# Altium PCB LimeSDR-X3_1v2.PcbDoc (part 9 of 25)
Units mm, origin at the board's own origin, x right, y up, seen from the top; angles counter-clockwise.
Board outline 232.5 x 111.15 mm, 12 copper layers (Top, L2, L3, L4, L5, L6, L7, L8, L9, L10, L11, Bottom), stack 1.596 mm thick; 2084 components, 1388 nets, 8919 pads, 3667 vias.
Unrouted connection lines stored in the file: 1.
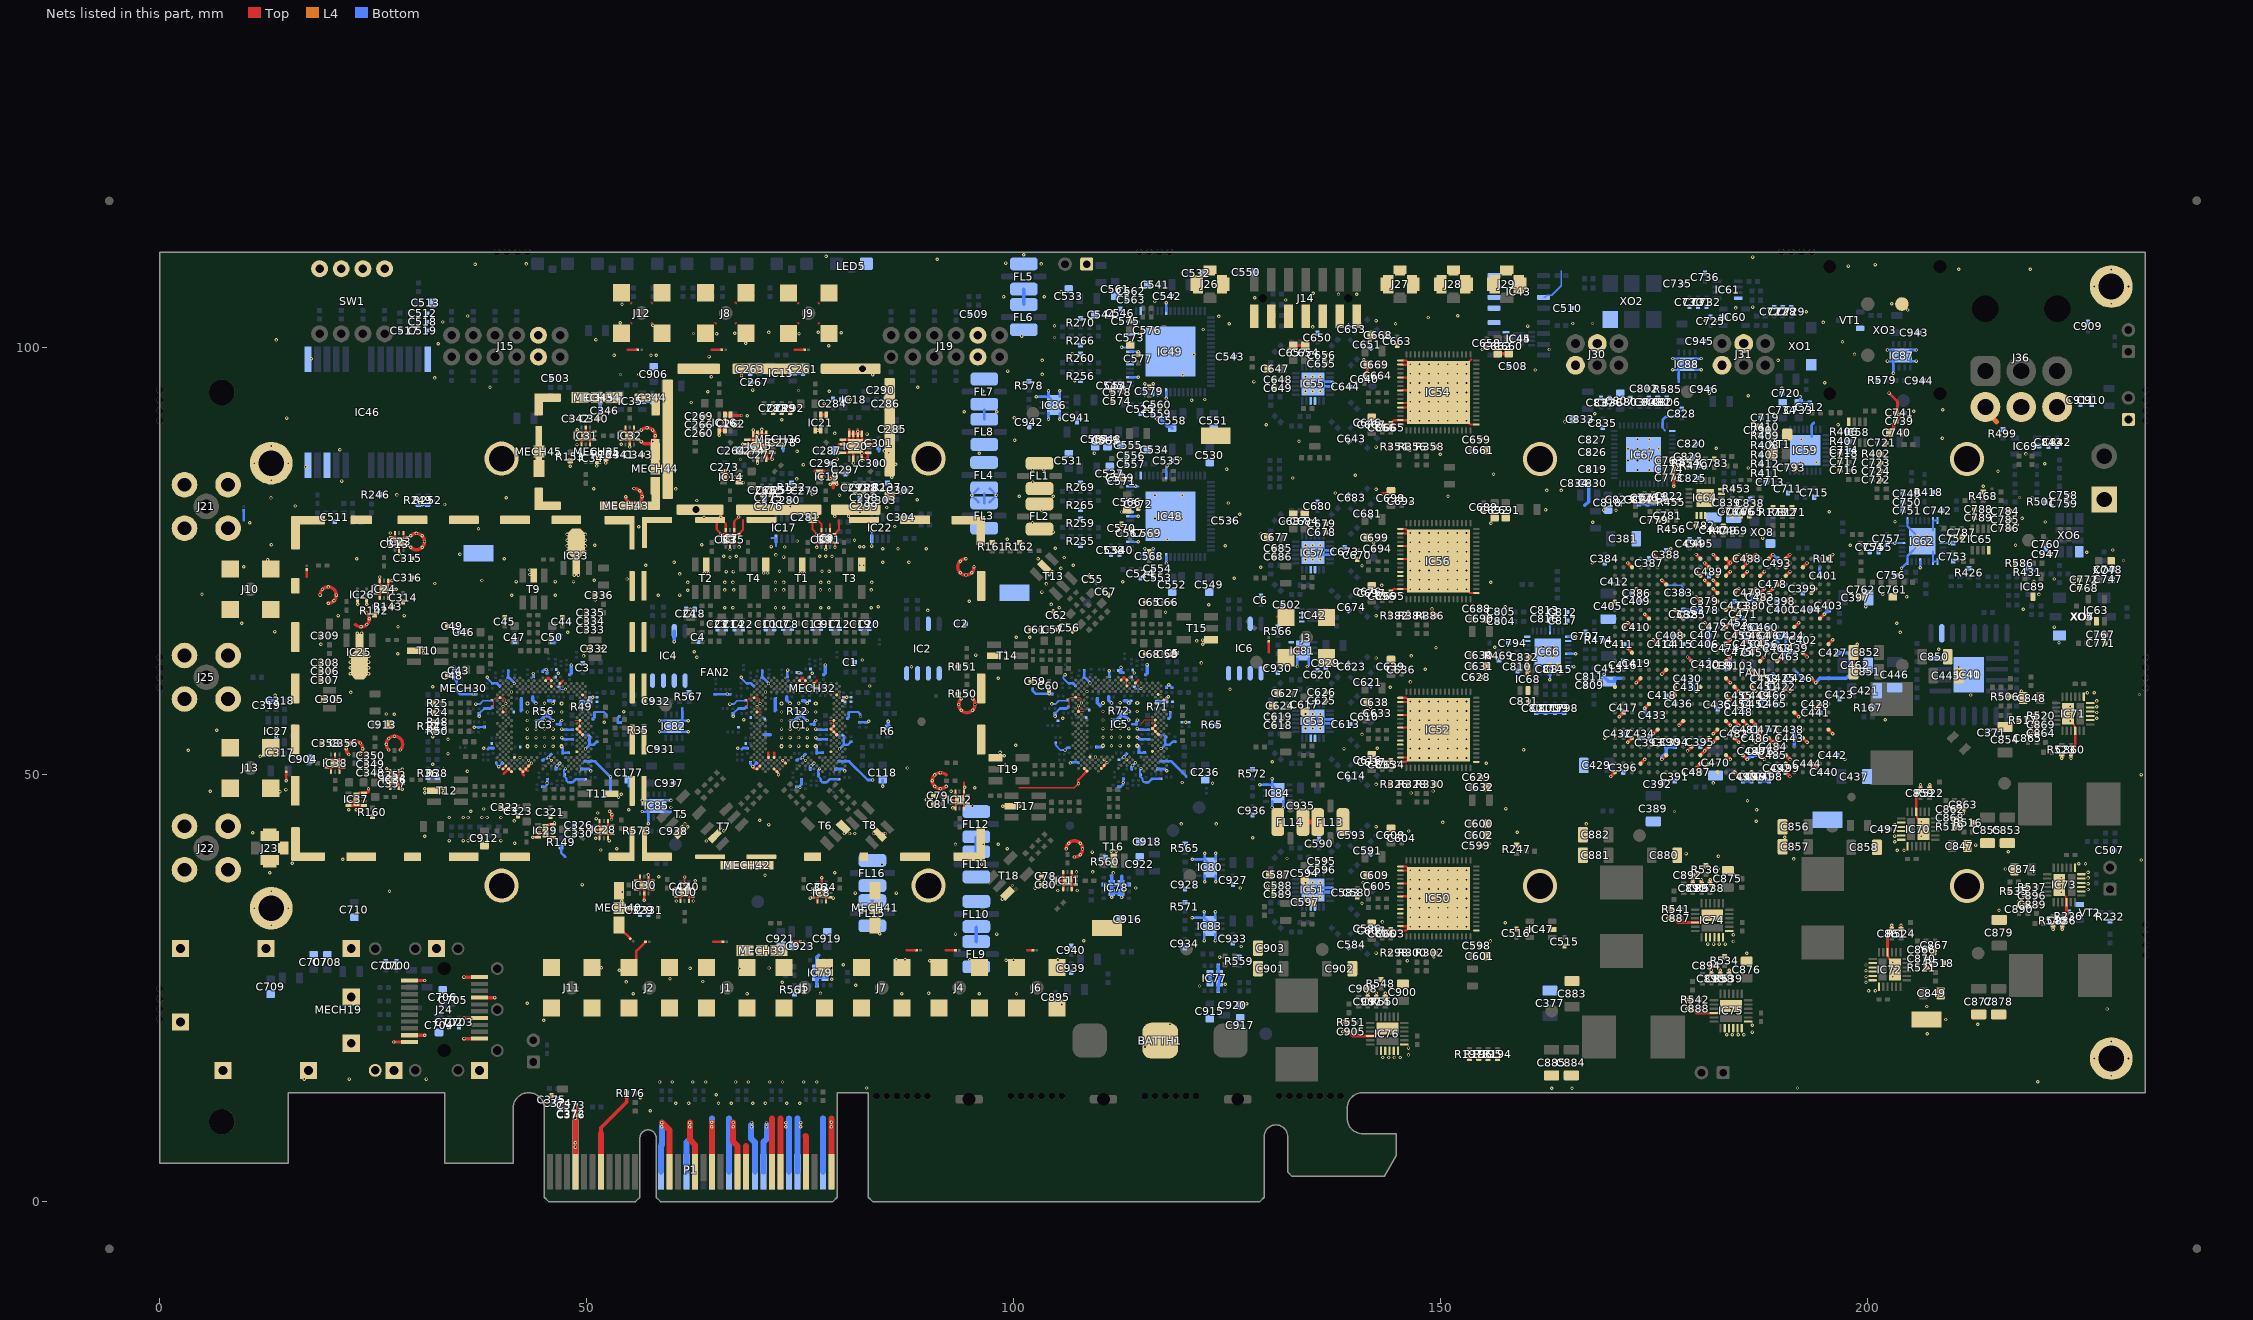
[diagram p19: the nets of this part, all layers, seen from the top]

## Via types
v1: diameter 0.4, hole 0.2, Top to Bottom, tented both sides, 3084 vias
v2: diameter 0.35, hole 0.2, Top to Bottom, tented both sides, 272 vias
v3: diameter 0.5, hole 0.2, Top to Bottom, tented bottom, 196 vias
v4: diameter 0.5, hole 0.2, Top to Bottom, tented both sides, 102 vias
v5: diameter 0.8, hole 0.4, Top to Bottom, tented both sides, 12 vias
v6: diameter 0.6, hole 0.3, Top to Bottom, tented both sides, 1 vias

## Nets (pads, with @x,y where several pads share a name; then routed paths per layer and width w, separated by ;. In a path a pad name is that pad's centre, name@x,y a point inside that pad or via, vN(x,y) a via of type N, cw(c..) or ccw(c..) an arc to the next point about the centre after c; other vN are vias at no path point) (continued)
GND: BATTH1.2 C1.2 C2.2 C3.2 C4.2 C5.2 C6.2 C7.1 C8.1 C9.1 C10.1 C11.1 C12.1 C13.1 C14.1 C17.1 C18.1 C19.1 C20.1 C21.1 C22.1 C23.1 C24.1 C33.2 C34.2 C35.1 C36.1 C39.2 C40.2 C41.1 C42.1 C43.1 C44.1 C45.1 C46.1 C47.1 C48.1 C49.1 C50.1 C55.1 C56.1 C57.1 C58.1 C59.1 C60.1 C61.1 C62.1 C65.1 C66.1 C67.1 C68.1 C78.2 C79.2 C80.1 C81.1 C82.2 C83.2 C84.2 C85.2 C86.2 C87.1 C88.2 C89.2 C90.2 C91.2 C92.2 C93.2 C94.2 C95.2 C96.2 C97.2 C98.2 C99.2 C100.1 C101.2 C102.2 C103.2 C104.2 C105.2 C106.2 C107.1 C108.2 C109.1 C110.1 C111.2 C112.2 C113.2 C114.2 C115.2 C116.2 C117.2 C118.1 C119.2 C120.2 C121.2 C122.2 C123.2 C124.2 C125.2 C126.2 C127.2 C128.2 C129.2 C130.2 C131.2 C132.2 C133.2 C134.2 C135.2 C136.2 C137.2 C138.2 C139.2 C140.2 C141.2 C142.2 C143.2 C144.2 C145.2 C146.1 C147.2 C148.2 C149.2 C150.2 C151.2 C152.2 C153.2 C154.2 C155.2 C156.2 C157.2 C158.2 C159.1 C160.2 C161.2 C162.2 C163.2 C164.2 C165.2 C166.1 C167.2 C168.1 C169.1 C170.2 C171.2 C172.2 C173.2 C174.2 C175.2 C176.2 C177.1 C178.2 C179.2 C180.2 C181.2 C182.2 C183.2 C184.2 C185.2 C186.2 C187.2 C188.2 C189.2 C190.2 C191.2 C192.2 C193.2 C194.2 C195.2 C196.2 C197.2 C198.2 C199.2 C200.2 C201.2 C202.2 C203.2 C204.2 C205.1 C206.2 C207.2 C208.2 C209.2 C210.2 C211.2 C212.2 C213.2 C214.2 C215.2 C216.2 C217.2 C218.1 C219.2 C220.2 C221.2 C222.2 C223.2 C224.2 C225.1 C226.2 C227.1 C228.1 C229.2 C230.2 C231.2 C232.2 C233.2 C234.2 C235.2 C236.1 C237.2 C238.2 C239.2 C240.2 C241.2 C242.2 C243.2 C244.2 C245.2 C246.2 C247.2 C248.2 C249.2 C250.2 C251.2 C252.2 C253.2 C254.2 C255.2 C256.2 C257.2 C258.2 C259.1 C260.1 C261.1 C262.2 C263.1 C264.1 C265.1 C266.1 C267.2 C268.1 C269.1 C273.1 C274.2 C275.1 C276.2 C277.2 C278.1 C279.2 C280.2 C281.2 C282.1 C283.1 C284.1 C285.2 C286.1 C287.1 C288.1 C289.1 C290.2 C291.1 C292.1 C296.1 C297.2 C298.1 C299.2 C300.2 C301.1 C302.2 C303.2 C304.2 C305.2 C306.2 C307.1 C308.2 C309.2 C313.2 C314.2 C315.1 C316.1 C317.1 C318.1 C319.2 C321.2 C322.1 C323.2 C326.2 C329.2 C330.1 C331.1 C332.2 C333.1 C334.2 C335.2 C336.2 C340.2 C341.2 C342.1 C343.1 C344.1 C345.1 C346.2 C348.2 C349.1 C350.2 C353.2 C356.2 C357.1 C358.1 C371.2 C372.2 C373.2 C374.2 C375.2 C376.2 C377.1 C378.1 C379.2 C380.2 C381.1 C382.1 C383.2 C384.2 C385.2 C386.2 C387.2 C388.2 C389.1 C390.1 C391.2 C392.2 C393.2 C394.2 C395.2 C396.2 C397.1 C398.1 C399.2 C400.2 C401.2 C402.2 C403.2 C404.2 C405.1 C406.1 C407.2 C408.2 C409.2 C410.2 C411.2 C412.2 C413.1 C414.1 C415.2 C416.2 C417.2 C418.2 C419.2 C420.2 C421.1 C422.1 C423.2 C424.2 C425.2 C426.2 C427.2 C428.2 C429.1 C430.1 C431.2 C432.2 C433.2 C434.2 C435.2 C436.2 C437.1 C438.1 C439.2 C440.2 C441.2 C442.2 C443.2 C444.2 C445.1 C446.1 C447.1 C448.1 C449.2 C450.2 C451.2 C452.2 C453.2 C454.2 C455.2 C456.2 C457.2 C458.2 C459.2 C460.2 C461.2 C462.1 C463.1 C464.2 C465.2 C466.2 C467.2 C468.2 C469.1 C470.1 C471.1 C472.2 C473.2 C474.2 C475.2 C476.1 C477.2 C478.2 C479.2 C480.2 C481.2 C482.2 C483.2 C484.2 C485.2 C486.2 C487.1 C488.2 C489.2 C490.2 C491.2 C492.2 C493.2 C494.2 C495.2 C496.2 C497.2 C498.2 C499.2 C502.2 C503.2 C507.2 C508.2 C509.2 C510.2 C511.1 C512.1 C513.1 C515.1 C516.2 C517.2 C518.1 C519.2 C524.1 C525.1 C530.1 C531.1 C532.1 C533.1 C534.1 C535.1 C536.1 C537.1 C538.1 C539.1 C540.1 C541.1 C542.1 C543.1 C544.1 C545.1 C546.1 C547.1 C548.1 C549.1 C550.1 C551.1 C552.1 C553.1 C554.1 C555.1 C556.1 C557.1 C558.1 C559.1 C560.1 C561.1 C562.1 C563.1 C564.1 C565.1 C566.1 C567.1 C568.1 C569.1 C570.1 C571.1 C572.1 C573.1 C574.1 C575.1 C576.1 C577.1 C578.1 C579.1 C580.1 C583.2 C584.2 C586.1 C587.1 C588.2 C589.2 C590.2 C591.2 C593.1 C594.1 C595.2 C596.2 C597.1 C598.1 C599.1 C600.1 C601.1 C602.2 C603.1 C604.1 C605.1 C606.1 C607.1 C608.1 C609.2 C610.1 C613.2 C614.2 C616.1 C617.1 C618.2 C619.2 C620.2 C621.2 C623.1 C624.1 C625.2 C626.2 C627.1 C628.1 C629.1 C630.1 C631.1 C632.2 C633.1 C634.1 C635.1 C636.1 C637.1 C638.1 C639.2 C640.1 C643.2 C644.2 C646.1 C647.1 C648.2 C649.2 C650.2 C651.2 C653.1 C654.1 C655.2 C656.2 C657.1 C658.1 C659.1 C660.1 C661.1 C662.2 C663.1 C664.1 C665.1 C666.1 C667.1 C668.1 C669.2 C670.1 C673.2 C674.2 C676.1 C677.1 C678.2 C679.2 C680.2 C681.2 C683.1 C684.1 C685.2 C686.2 C687.1 C688.1 C689.1 C690.1 C691.1 C692.2 C693.1 C694.1 C695.1 C696.1 C697.1 C698.1 C699.2 C700.1 C701.1 C702.1 C703.1 C704.1 C705.1 C706.1 C707.1 C708.1 C709.1 C710.1 C711.1 C712.1 C713.1 C714.1 C715.1 C716.1 C717.2 C718.2 C719.1 C720.1 C721.2 C722.1 C723.2 C724.2 C725.1 C727.1 C728.1 C729.2 C730.1 C731.2 C732.2 C733.2 C734.1 C735.1 C736.2 C739.1 C740.1 C741.2 C742.1 C747.1 C748.1 C749.1 C750.1 C751.1 C752.1 C753.1 C754.1 C755.1 C756.1 C757.1 C758.1 C759.1 C760.1 C761.2 C762.2 C763.1 C764.1 C765.2 C766.2 C767.1 C768.1 C771.1 C772.1 C773.2 C774.2 C775.1 C776.2 C779.1 C781.1 C782.2 C783.1 C784.1 C785.2 C786.2 C787.2 C788.1 C789.2 C790.1 C793.1 C794.1 C797.1 C798.1 C799.1 C800.1 C801.1 C802.2 C803.2 C804.1 C805.1 C806.1 C807.2 C808.2 C809.1 C810.1 C811.1 C812.1 C813.1 C814.1 C815.1 C816.1 C817.1 C818.2 C819.2 C820.2 C821.1 C822.1 C823.1 C824.1 C825.1 C826.1 C827.1 C828.1 C829.1 C830.1 C831.1 C832.2 C833.2 C834.2 C835.1 C836.1 C837.1 C838.1 C839.1 C842.2 C843.1 C847.1 C848.1 C849.1 C850.1 C851.1 C852.1 C853.1 C854.1 C855.1 C856.1 C857.1 C858.1 C859.2 C860.2 C861.2 C862.2 C863.2 C864.2 C865.2 C866.2 C867.2 C868.2 C869.2 C870.2 C874.1 C875.1 C876.1 C877.1 C878.1 C879.1 C880.1 C881.1 C882.1 C883.1 C884.1 C885.1 C886.2 C887.2 C888.2 C889.2 C890.2 C891.2 C892.2 C893.2 C894.2 C895.1 C896.2 C897.2 C898.2 C900.1 C901.1 C902.1 C903.1 C904.1 C905.2 C906.1 C907.2 C908.2 C909.2 C910.2 C911.2 C912.1 C913.1 C914.1 C915.1 C916.1 C917.1 C918.1 C919.1 C920.1 C921.1 C922.1 C923.1 C927.1 C928.1 C929.1 C930.1 C931.1 C932.1 C933.1 C934.1 C935.1 C936.1 C937.1 C938.1 C939.1 C940.2 C941.1 C942.1 C943.1 C944.1 C945.1 C946.1 C947.1 ESD1.2 ESD2.2 ESD3.2 ESD4.2 ESD5.2 ESD6.2 ESD7.2 ESD8.2 ESD9.2 ESD10.2 ESD11.2 ESD12.2 ESD13.2 ESD14.2 FAN1.1 FAN2.1 FL1.2 FL1.4 FL2.2 FL2.4 FL3.2 FL3.4 FL4.2 FL4.4 FL5.2 FL5.4 FL6.2 FL6.4 FL7.2 FL7.4 FL8.2 FL8.4 FL9.2 FL9.4 FL10.2 FL10.4 FL11.2 FL11.4 FL12.2 FL12.4 FL13.2 FL13.4 FL14.2 FL14.4 FL15.2 FL15.4 FL16.2 FL16.4 FR103.1 IC1.AA31 IC1.AF32 IC1.AG29 IC1.AJ7 IC1.AJ9 IC1.AJ19 IC1.AK12 IC1.AK20 IC1.AL13 IC1.AL23 IC1.AM4 IC1.AM22 IC1.AN3 IC1.AN9 IC1.AN25 IC1.AP10 IC1.B18 IC1.B20 IC1.C7 IC1.C23 IC1.D20 IC1.E25 IC1.F6 IC1.G31 IC1.GND IC1.H2 IC1.J33 IC1.K4 IC1.L3 IC1.N3 IC1.T30 IC1.V30 IC1.W29 IC1.Y30 IC2.1 IC2.2 IC2.3 IC2.4 IC2.7 IC3.AA31 IC3.AF32 IC3.AG29 IC3.AJ7 IC3.AJ9 IC3.AJ19 IC3.AK12 IC3.AK20 IC3.AL13 IC3.AL23 IC3.AM4 IC3.AM12 IC3.AM22 IC3.AN3 IC3.AN5 IC3.AN9 IC3.AN11 IC3.AN25 IC3.AP6 IC3.AP10 IC3.B18 IC3.B20 IC3.C7 IC3.C23 IC3.D20 IC3.E25 IC3.F6 IC3.G31 IC3.GND IC3.H2 IC3.J33 IC3.K4 IC3.L3 IC3.N3 IC3.T30 IC3.V30 IC3.W29 IC3.Y30 IC4.1 IC4.2 IC4.3 IC4.4 IC4.7 IC5.AA31 IC5.AF32 IC5.AG29 IC5.AJ7 IC5.AJ9 IC5.AJ19 IC5.AK12 IC5.AK20 IC5.AL13 IC5.AL23 IC5.AM12 IC5.AM22 IC5.AN5 IC5.AN11 IC5.AN25 IC5.AP6 IC5.B18 IC5.B20 IC5.C7 IC5.C23 IC5.D20 IC5.E25 IC5.F6 IC5.G31 IC5.GND IC5.H2 IC5.J33 IC5.K4 IC5.L3 IC5.N3 IC5.T30 IC5.V30 IC5.W29 IC5.Y30 IC6.1 IC6.2 IC6.3 IC6.4 IC6.7 IC7.1 IC7.3 IC7.4 IC7.6 IC7.7 IC7.9 IC7.11 IC7.PAD IC8.1 IC8.3 IC8.4 IC8.6 IC8.7 IC8.9 IC8.11 IC8.PAD IC9.1 IC9.3 IC9.4 IC9.6 IC9.7 IC9.9 IC9.11 IC9.PAD IC10.1 IC10.3 IC10.4 IC10.6 IC10.7 IC10.9 IC10.11 IC10.PAD IC11.1 IC11.3 IC11.4 IC11.6 IC11.7 IC11.9 IC11.11 IC11.PAD IC12.1 IC12.3 IC12.4 IC12.6 IC12.7 IC12.9 IC12.11 IC12.PAD IC13.2 IC14.1 IC14.2 IC14.4 IC14.5 IC15.1 IC15.2 IC15.4 IC15.6 IC15.8 IC15.9 IC15.11 IC15.12 IC15.13 IC15.14 IC15.15 IC15.16 IC15.EP IC16.1 IC16.2 IC16.4 IC16.5 IC17.8 IC18.2 IC19.1 IC19.2 IC19.4 IC19.5 IC20.1 IC20.2 IC20.4 IC20.6 IC20.8 IC20.9 IC20.11 IC20.12 IC20.13 IC20.14 IC20.15 IC20.16 IC20.EP IC21.1 IC21.2 IC21.4 IC21.5 IC22.8 IC23.1 IC23.3 IC23.4 IC23.6 IC23.7 IC23.9 IC23.11 IC23.PAD IC24.1 IC24.3 IC24.4 IC24.6 IC24.7 IC24.9 IC24.11 IC24.PAD IC25.2 IC26.3 IC26.4 IC27.2 IC28.1 IC28.3 IC28.4 IC28.6 IC28.7 IC28.9 IC28.11 IC28.PAD IC29.3 IC29.4 IC29.5 IC29.8 IC29.PAD IC30.1 IC30.3 IC30.4 IC30.6 IC30.7 IC30.9 IC30.11 IC30.PAD IC31.1 IC31.3 IC31.4 IC31.6 IC31.7 IC31.9 IC31.11 IC31.PAD IC32.1 IC32.3 IC32.4 IC32.6 IC32.7 IC32.9 IC32.11 IC32.PAD IC33.2 IC34.3 IC34.4 IC35.2 IC36.1 IC36.3 IC36.4 IC36.6 IC36.7 IC36.9 IC36.11 IC36.PAD IC37.3 IC37.4 IC37.5 IC37.8 IC37.PAD IC38.1 IC38.3 IC38.4 IC38.6 IC38.7 IC38.9 IC38.11 IC38.PAD IC39.A6 IC39.A8 IC39.A10 IC39.A12 IC39.A14 IC39.A16 IC39.A26 IC39.AA6 IC39.AA9 IC39.AA14 IC39.AA16 IC39.AA26 IC39.AB3 IC39.AB8 IC39.AB9 IC39.AB10 IC39.AB12 IC39.AB14 IC39.AB23 IC39.AC7 IC39.AC14 IC39.AC15 IC39.AC20 IC39.AD6 IC39.AD9 IC39.AD11 IC39.AD13 IC39.AD14 IC39.AD16 IC39.AE4 IC39.AE6 IC39.AE11 IC39.AE13 IC39.AE15 IC39.AE24 IC39.AF1 IC39.AF6 IC39.AF8 IC39.AF10 IC39.AF11 IC39.AF12 IC39.AF13 IC39.AF14 IC39.AF16 IC39.AF21 IC39.B3 IC39.B6 IC39.B15 IC39.B16 IC39.B23 IC39.C6 IC39.C9 IC39.C11 IC39.C13 IC39.C16 IC39.C20 IC39.D7 IC39.D15 IC39.D17 IC39.E4 IC39.E7 IC39.E8 IC39.E9 IC39.E10 IC39.E12 IC39.E14 IC39.E15 IC39.E24 IC39.F1 IC39.F9 IC39.F14 IC39.F21 IC39.G10 IC39.G11 IC39.G12 IC39.G13 IC39.G18 IC39.H5 IC39.H25 IC39.J2 IC39.J12 IC39.J22 IC39.K9 IC39.K11 IC39.K13 IC39.K19 IC39.L6 IC39.L10 IC39.L12 IC39.L16 IC39.L19 IC39.L26 IC39.M3 IC39.M9 IC39.M13 IC39.M23 IC39.N10 IC39.N20 IC39.P7 IC39.P9 IC39.P13 IC39.P17 IC39.R4 IC39.R10 IC39.R24 IC39.T1 IC39.T9 IC39.T11 IC39.T13 IC39.T21 IC39.U8 IC39.U10 IC39.U12 IC39.U18 IC39.V5 IC39.V13 IC39.V15 IC39.V24 IC39.V25 IC39.W2 IC39.W12 IC39.W18 IC39.W22 IC39.Y10 IC39.Y11 IC39.Y12 IC39.Y13 IC39.Y19 IC40.4 IC40.PAD IC41.10 IC42.4 IC42.5 IC42.6 IC42.7 IC43.1 IC43.2 IC43.3 IC43.4 IC43.7 IC44.4 IC45.4 IC46.10 IC46.12 IC46.13 IC46.24 IC47.2 IC47.5 IC48.10 IC48.12 IC48.13 IC48.15 IC48.20 IC48.23 IC48.26 IC48.27 IC48.30 IC48.33 IC48.36 IC48.42 IC48.EP IC49.10 IC49.12 IC49.13 IC49.15 IC49.20 IC49.23 IC49.26 IC49.27 IC49.30 IC49.33 IC49.36 IC49.42 IC49.EP IC50.17 IC50.18 IC50.21 IC50.24 IC50.27 IC50.28 IC50.31 IC50.32 IC50.49 IC50.65 IC51.15 IC51.16 IC51.21 IC51.22 IC51.25 IC52.17 IC52.18 IC52.21 IC52.24 IC52.27 IC52.28 IC52.31 IC52.32 IC52.49 IC52.65 IC53.15 IC53.16 IC53.21 IC53.22 IC53.25 IC54.17 IC54.18 IC54.21 IC54.24 IC54.27 IC54.28 IC54.31 IC54.32 IC54.49 IC54.65 IC55.15 IC55.16 IC55.21 IC55.22 IC55.25 IC56.17 IC56.18 IC56.21 IC56.24 IC56.27 IC56.28 IC56.31 IC56.32 IC56.49 IC56.65 IC57.15 IC57.16 IC57.21 IC57.22 IC57.25 IC58.8 IC59.22 IC59.EP IC60.2 IC61.8 IC62.4 IC62.9 IC62.15 IC62.16 IC62.21 IC62.25 IC62.26 IC62.29 IC62.32 IC63.2 IC64.1 IC64.2 IC64.3 IC64.9 IC64.10 IC64.21 IC65.8 IC66.4 IC66.9 IC66.15 IC66.16 IC66.21 IC66.25 IC66.26 IC66.29 IC66.32 IC67.1 IC67.47 IC67.PAD IC68.2 IC68.5 IC69.2 IC70.4 IC70.8 IC70.9 IC70.10 IC70.11 IC70.12 IC70.13 IC70.25 IC71.4 IC71.8 IC71.9 IC71.10 IC71.11 IC71.12 IC71.13 IC71.25 IC72.4 IC72.8 IC72.9 IC72.10 IC72.11 IC72.12 IC72.13 IC72.25 IC73.4 IC73.8 IC73.9 IC73.10 IC73.11 IC73.12 IC73.13 IC73.25 IC74.4 IC74.8 IC74.9 IC74.10 IC74.11 IC74.12 IC74.13 IC74.25 IC75.4 IC75.8 IC75.9 IC75.10 IC75.11 IC75.12 IC75.13 IC75.25 IC76.4 IC76.8 IC76.9 IC76.10 IC76.11 IC76.12 IC76.13 IC76.25 IC77.3 IC77.6 IC77.PAD IC78.3 IC78.6 IC78.PAD IC79.3 IC79.6 IC79.PAD IC80.4 IC80.9 IC81.4 IC81.9 IC82.4 IC82.9 IC83.4 IC83.9 IC84.4 IC84.9 IC85.4 IC85.9 IC86.4 IC86.9 IC87.4 IC87.9 IC88.4 IC88.9 IC89.3 J1.2 J2.2 J3.2 J4.2 J5.2 J6.2 J7.2 J8.2 J9.2 J10.2 J11.2 J12.2 J13.2 J14.1 J14.3 J14.5 J14.7 J14.9 J14.11 J14.13 J15.5 J15.11 J19.5 J19.11 J20.1 J21.2 J22.2 J23.2 J24.1 J24.9 J24.10 J24.11 J24.14 J24.17 J24.20 J25.2 J26.2 J27.2 J28.2 J29.2 J30.1 J30.4 J31.1 J31.4 J34.1 J35.1 J36.4 J36.5 J36.6 LED5.1 MECH15.MH1 MECH16.MH1 MECH17.MH1 MECH18.MH1 MECH19.1 MECH19.2 MECH19.3 MECH19.4 MECH19.5 MECH19.6 MECH19.7 MECH19.8 MECH19.9 MECH19.10 MECH19.11 MECH19.12 MECH30.0 MECH32.0 MECH34.1 MECH35.0 MECH36.0 MECH39.1 MECH40.1 MECH41.1 MECH42.1 MECH43.1 MECH44.1 MECH45.1 P1.A4 P1.A12 P1.A15 P1.A18 P1.A20 P1.A23 P1.A24 P1.A27 P1.A28 P1.A31 P1.B4 P1.B7 P1.B13 P1.B16 P1.B18 P1.B21 P1.B22 P1.B25 P1.B26 P1.B29 P1.B32 pad.4 R6.1 R11.1 R12.2 R15.2 R17.2 R24.2 R25.2 R35.1 R36.2 R38.2 R48.2 R49.1 R50.2 R56.2 R65.1 R71.1 R72.2 R122.1 R137.1 R142.2 R143.2 R149.1 R150.1 R151.1 R153.2 R154.2 R160.1 R161.1 R162.1 R167.1 R171.2 R172.2 R173.2 R176.2 R194.2 R195.2 R196.2 R197.2 R232.1 R236.2 R246.2 R247.1 R249.1 R252.1 R255.1 R256.1 R259.1 R260.1 R265.1 R266.1 R269.1 R270.1 R298.1 R300.1 R302.1 R326.1 R328.1 R330.1 R354.1 R356.1 R358.1 R382.1 R384.1 R386.1 R402.2 R405.2 R406.2 R407.2 R408.2 R409.2 R410.1 R411.1 R412.2 R418.1 R426.1 R431.1 R449.1 R453.1 R454.2 R455.2 R456.1 R468.2 R469.1 R470.2 R474.1 R482.2 R499.1 R501.1 R506.2 R516.2 R517.2 R518.2 R519.2 R520.2 R521.2 R522.1 R523.1 R524.2 R534.2 R535.2 R536.2 R537.2 R538.2 R539.2 R540.2 R541.1 R542.1 R548.2 R550.2 R551.1 R559.1 R560.1 R561.1 R565.1 R566.1 R567.1 R571.1 R572.1 R573.1 R578.2 R579.2 R585.2 R586.2 SW1.1 SW1.3 SW1.5 SW1.7 T1.2 T2.2 T3.3 T4.3 T5.1 T6.1 T7.2 T8.2 T9.2 T10.2 T11.2 T12.2 T13.2 T14.2 T15.3 T16.2 T17.2 T18.1 T19.3 TP1.1 TP2.1 TP3.1 TP4.1 TP5.1 TP6.1 VT1.S VT2.S XO1.2 XO2.3 XO3.2 XO4.2 XO5.2 XO6.4 XO7.2 XO8.3 XT1.2 XT1.4 | length 1117.8
  Top w0.11: 39.078,57.912 39.078,58.762 39.318,59.003 40.301,59.003 40.5,58.803 v2(40.5,58.337) ; v2(40.167,58.004) IC3.N3@40.167,57.338 40.803,57.338 ; IC3.D20@45.828,60.335 IC3.B20@45.828,61.001 ; 48.602,56.339 IC3.T30@49.158,56.339 IC3.V30@49.158,55.673 ; IC3.G31@49.491,59.336 49.931,59.336 49.931,59.339 ; 68.828,57.912 68.828,58.762 69.068,59.003 IC1.H2@69.584,59.003 70.051,59.003 70.25,58.803 v2(70.25,58.337) ; v2(69.917,58.004) IC1.N3@69.917,57.338 70.553,57.338 ; IC1.D20@75.578,60.335 IC1.B20@75.578,61.001 ; 78.352,56.339 IC1.T30@78.908,56.339 IC1.V30@78.908,55.673 ; IC1.G31@79.241,59.336 79.681,59.336 79.681,59.339 ; 106.472,57.969 106.472,58.819 106.712,59.059 IC5.H2@107.228,59.059 107.695,59.059 107.894,58.86 v2(107.894,58.393) ; v2(107.561,58.06) IC5.N3@107.561,57.394 108.197,57.394 ; IC5.D20@113.222,60.391 IC5.B20@113.222,61.057 ; 114.954,56.04 115.309,56.395 IC5.T30@116.552,56.395 IC5.V30@116.552,55.729 ; IC5.G31@116.885,59.392 117.325,59.392 117.325,59.395
  Top w0.15: 100.539,48.475 107.089,48.475 v1(107.554,48.94)
  Top w0.2: IC3.J33@50.157,58.67 50.282,58.67 v1(50.681,59.069) ; 55.151,102.925 55.261,102.815 ; 55.151,105.175 55.261,105.285 ; 57.539,102.815 57.649,102.925 ; 57.539,105.285 57.649,105.175 ; 64.999,102.925 65.109,102.815 ; 67.386,102.815 67.496,102.925 ; 67.386,105.285 67.496,105.175 ; 74.701,102.9 74.811,102.79 ; 74.701,105.15 74.811,105.26 ; v1(76.9,76.6) 76.9,77.135 76.925,77.16 IC9.9@76.973,77.16 ; 77.089,102.79 77.199,102.9 ; 77.089,105.26 77.199,105.15 ; IC9.1@78.973,77.16 79.018,77.16 79.043,77.135 v1(79.043,76.63) ; IC1.J33@79.907,58.67 80.032,58.67 v1(80.431,59.069) ; IC5.J33@117.551,58.726 117.676,58.726 v1(118.075,59.125) ; IC76.4@142.1,19.4 142.2,19.5 142.425,19.5 142.575,19.65 143.125,19.65 143.6,20.125 IC76.25@143.725,20.25 ; IC74.4@180.151,32.68 180.251,32.779 180.476,32.779 180.626,32.929 181.176,32.929 181.651,33.404 IC74.25@181.776,33.529 ; IC75.4@182.35,22.075 182.45,22.175 182.675,22.175 182.825,22.325 183.375,22.325 183.85,22.8 IC75.25@183.975,22.925 ; IC72.4@202.3,28.8 202.4,28.7 202.4,28.475 202.55,28.325 202.55,27.775 203.025,27.3 IC72.25@203.15,27.175 ; IC70.4@205.65,45.25 205.75,45.15 205.75,44.925 205.9,44.775 205.9,44.225 206.375,43.75 IC70.25@206.5,43.625 ; IC73.25@222.4,37.075 222.525,36.95 223,36.475 223,35.925 223.15,35.775 223.15,35.55 IC73.4@223.25,35.45 ; IC71.25@223.425,57.125 223.55,57 224.025,56.525 224.025,55.975 224.175,55.825 224.175,55.6 IC71.4@224.275,55.5
  Top w0.25: IC38.3@19.516,50.832 IC38.PAD@20.016,50.832 ; IC38.1@19.516,51.832 20.016,51.832 v1(20.516,51.332) ; IC38.4@20.016,50.332 IC38.PAD@20.016,50.832 ; IC38.11@20.516,52.332 v1(20.516,51.332) ; IC38.6@21.016,50.332 IC38.PAD@21.016,50.832 ; IC38.7@21.516,50.832 IC38.PAD@21.016,50.832 ; IC38.9@21.516,51.832 21.016,51.832 v1(20.516,51.332) ; IC24.6@25.229,71.202 IC24.PAD@25.729,71.202 ; IC24.4@25.229,72.202 IC24.PAD@25.729,72.202 ; IC24.7@25.729,70.702 IC24.PAD@25.729,71.202 ; v1(25.729,73.139) IC24.3@25.729,72.702 IC24.PAD@25.729,72.202 ; v1(26.029,49.407) IC36.11@26.466,49.407 v1(27.466,49.407) ; IC24.9@26.729,70.702 26.729,71.202 IC24.PAD@26.229,71.702 ; IC36.1@26.966,48.407 IC36.9@26.966,50.257 ; IC23.9@27.004,76.789 27.504,76.789 IC23.PAD@28.004,77.289 ; IC23.7@27.004,77.789 IC23.PAD@27.504,77.789 ; v1(27.167,72.702) IC24.1@26.729,72.702 26.729,72.202 IC24.PAD@26.229,71.702 ; IC23.6@27.504,78.289 IC23.PAD@27.504,77.789 ; v1(27.667,71.702) IC24.11@27.229,71.702 IC24.PAD@26.229,71.702 ; IC36.3@27.966,48.407 IC36.7@27.966,50.257 ; IC36.PAD@27.966,48.907 IC36.4@28.466,48.907 ; IC36.PAD@27.966,49.907 IC36.6@28.466,49.907 ; v1(28.004,75.852) IC23.11@28.004,76.289 IC23.PAD@28.004,77.289 ; IC23.4@28.504,78.289 IC23.PAD@28.504,77.789 ; IC23.1@29.004,76.789 28.504,76.789 IC23.PAD@28.004,77.289 ; IC23.3@29.004,77.789 IC23.PAD@28.504,77.789 ; IC31.3@48.861,89.169 IC31.PAD@49.361,89.169 ; IC31.1@48.861,90.169 49.361,90.169 IC31.PAD@49.861,89.669 ; IC31.4@49.361,88.669 IC31.PAD@49.361,89.169 ; IC31.11@49.861,90.669 IC31.PAD@49.861,89.669 ; v1(50.185,43.55) IC28.PAD@51.975,43.55 ; IC31.6@50.361,88.669 IC31.PAD@50.361,89.169 ; IC31.7@50.861,89.169 IC31.PAD@50.361,89.169 ; IC31.9@50.861,90.169 50.361,90.169 IC31.PAD@49.861,89.669 ; IC28.11@50.975,43.55 IC28.PAD@51.975,43.55 ; IC28.1@51.475,42.55 51.475,43.05 IC28.PAD@51.975,43.55 ; IC28.9@51.475,44.55 51.475,44.05 IC28.PAD@51.975,43.55 ; IC28.3@52.475,42.55 IC28.PAD@52.475,43.05 ; IC28.7@52.475,44.55 IC28.PAD@52.475,44.05 ; IC28.4@52.975,43.05 IC28.PAD@52.475,43.05 ; IC28.6@52.975,44.05 IC28.PAD@52.475,44.05 ; IC32.9@54.011,89.17 54.511,89.17 v1(55.011,89.67) ; IC32.7@54.011,90.17 IC32.PAD@54.511,90.17 ; IC32.6@54.511,90.67 IC32.PAD@54.511,90.17 ; IC32.11@55.011,88.67 v1(55.011,89.67) ; IC32.4@55.511,90.67 IC32.PAD@55.511,90.17 ; IC30.9@55.709,36.569 56.209,36.569 v1(56.709,37.069) ; IC30.7@55.709,37.569 IC30.PAD@56.209,37.569 ; IC32.1@56.011,89.17 55.511,89.17 v1(55.011,89.67) ; IC32.3@56.011,90.17 IC32.PAD@55.511,90.17 ; IC30.6@56.209,38.069 IC30.PAD@56.209,37.569 ; v1(56.709,35.279) IC30.11@56.709,36.069 v1(56.709,37.069) ; IC30.4@57.209,38.069 IC30.PAD@57.209,37.569 ; IC30.1@57.709,36.569 57.209,36.569 v1(56.709,37.069) ; IC30.3@57.709,37.569 IC30.PAD@57.209,37.569 ; IC10.3@60.44,35.72 IC10.PAD@60.94,35.72 ; IC10.1@60.44,36.72 60.94,36.72 v1(61.44,36.22) ; IC10.4@60.94,35.22 IC10.PAD@60.94,35.72 ; v1(61.44,38.009) IC10.11@61.44,37.22 v1(61.44,36.22) ; IC10.6@61.94,35.22 IC10.PAD@61.94,35.72 ; IC10.7@62.44,35.72 IC10.PAD@61.94,35.72 ; IC10.9@62.44,36.72 61.94,36.72 v1(61.44,36.22) ; MECH32.0@65.204,79.83 65.204,78.704 IC7.7@65.747,78.16 IC7.PAD@66.247,78.16 ; MECH32.0@65.7,79.925 66.247,79.378 IC7.6@66.247,78.66 IC7.PAD@66.247,78.16 ; IC7.9@65.747,77.16 66.247,77.16 v1(66.747,77.66) ; v1(66.747,76.371) IC7.11@66.747,76.66 v1(66.747,77.66) ; IC7.1@67.747,77.16 67.247,77.16 v1(66.747,77.66) ; MECH36.0@67.76,80.885 v1(67.76,80.16) 67.247,79.648 IC7.4@67.247,78.66 IC7.PAD@67.247,78.16 ; 68.291,79.83 68.291,78.704 IC7.3@67.747,78.16 IC7.PAD@67.247,78.16 ; MECH32.0@76.43,79.83 76.43,78.704 IC9.7@76.973,78.16 IC9.PAD@77.473,78.16 ; IC8.3@76.488,35.645 IC8.PAD@76.988,35.645 ; IC8.1@76.488,36.645 76.988,36.645 v1(77.488,36.145) ; MECH32.0@76.795,80.033 v1(76.968,80.205) MECH36.0@76.968,80.449 ; IC9.9@76.973,77.16 77.473,77.16 v1(77.973,77.66) ; 76.973,79.818 77.473,79.318 IC9.6@77.473,78.66 IC9.PAD@77.473,78.16 ; IC8.4@76.988,35.145 IC8.PAD@76.988,35.645 ; v1(77.488,37.934) IC8.11@77.488,37.145 v1(77.488,36.145) ; v1(77.973,76.371) v1(77.973,77.66) ; IC8.6@77.987,35.145 IC8.PAD@77.987,35.645 ; 78.473,79.318 IC9.4@78.473,78.66 IC9.PAD@78.473,78.16 ; IC8.7@78.488,35.645 IC8.PAD@77.987,35.645 ; IC8.9@78.488,36.645 77.987,36.645 v1(77.488,36.145) ; IC9.1@78.973,77.16 78.473,77.16 v1(77.973,77.66) ; v1(79.018,80.23) MECH36.0@79.018,80.474 ; 79.517,79.83 79.517,78.704 IC9.3@78.973,78.16 IC9.PAD@78.473,78.16 ; IC12.11@92.64,47.037 v1(93.64,47.037) ; IC12.1@93.14,46.037 93.14,46.537 v1(93.64,47.037) ; IC12.9@93.14,48.037 93.14,47.537 v1(93.64,47.037) ; IC12.3@94.14,46.037 IC12.PAD@94.14,46.537 ; 94.14,49.087 IC12.7@94.14,48.037 IC12.PAD@94.14,47.537 ; IC12.4@94.64,46.537 IC12.PAD@94.14,46.537 ; IC12.6@94.64,47.537 IC12.PAD@94.14,47.537 ; v1(104.664,37.575) v1(106.275,37.575) IC11.11@105.275,37.575 ; IC11.1@105.775,36.575 IC11.9@105.775,38.425 ; IC11.3@106.775,36.575 IC11.7@106.775,38.425 ; IC11.PAD@106.775,37.075 IC11.4@107.275,37.075 ; IC11.PAD@106.775,38.075 IC11.6@107.275,38.075 ; C606.1@143.125,31.875 143.25,31.75 IC50.32@145.25,31.75 145.9,31.75 IC50.65@146.4,32.25 ; C695.1@144.125,71.375 144.5,71.75 IC56.31@145.25,71.75 IC56.65@147.95,71.75 ; C665.1@144.125,91.125 144.5,91.5 IC54.31@145.25,91.5 IC54.65@147.95,91.5 ; C695.1@144.25,71.25 IC56.32@145.25,71.25 ; C665.1@144.25,91 IC54.32@145.25,91 ; IC50.31@145.25,32.25 IC50.65@146.4,32.25 ; IC50.24@145.25,35.75 IC50.65@149.45,35.75 ; IC50.21@145.25,37.25 IC50.65@149.45,37.25 ; IC50.18@145.25,38.75 IC50.65@149.45,38.75 ; IC50.17@145.25,39.25 145.9,39.25 IC50.65@146.4,38.75 ; IC52.32@145.25,51.5 145.9,51.5 146.4,52 IC52.31@145.25,52 ; IC52.24@145.25,55.5 IC52.65@149.45,55.5 ; IC52.21@145.25,57 IC52.65@149.45,57 ; IC52.18@145.25,58.5 IC52.65@149.45,58.5 ; IC52.17@145.25,59 145.9,59 IC52.65@146.4,58.5 ; IC56.24@145.25,75.25 IC56.65@147.95,75.25 ; IC56.21@145.25,76.75 IC56.65@147.95,76.75 ; IC56.18@145.25,78.25 IC56.65@147.95,78.25 ; IC56.17@145.25,78.75 145.9,78.75 IC56.65@146.4,78.25 ; IC54.28@145.25,93 IC54.65@147.95,93 ; IC54.27@145.25,93.502 IC54.65@147.95,93.502 ; IC54.24@145.25,95 IC54.65@147.95,95 ; IC54.21@145.25,96.5 IC54.65@147.95,96.5 ; IC54.18@145.25,98 IC54.65@146.4,98 ; IC54.17@145.25,98.5 145.9,98.5 IC54.65@146.4,98 ; IC54.65@147.95,98 IC54.65@146.4,98 ; IC50.65@149.45,32.25 IC50.65@146.4,32.25 ; v3(149.7,75) 153.45,71.25 IC56.49@154.15,71.25 ; 153.55,98.6 v3(153,98.05) v3(151.9,96.95) v3(150.8,95.85) v3(149.7,94.75) 153.45,91 IC54.49@154.15,91 ; IC38.PAD@20.016,50.832 v1(20.516,51.332) ; v1(20.516,51.332) IC38.PAD@21.016,50.832 ; IC24.PAD@25.729,71.202 IC24.PAD@26.229,71.702 ; IC24.PAD@25.729,72.202 IC24.PAD@26.229,71.702 ; IC23.PAD@27.504,77.789 IC23.PAD@28.004,77.289 ; IC23.PAD@28.004,77.289 IC23.PAD@28.504,77.789 ; IC31.PAD@49.361,89.169 IC31.PAD@49.861,89.669 ; IC31.PAD@49.861,89.669 IC31.PAD@50.361,89.169 ; IC28.PAD@51.975,43.55 IC28.PAD@52.475,43.05 ; IC28.PAD@51.975,43.55 IC28.PAD@52.475,44.05 ; IC32.PAD@54.511,90.17 v1(55.011,89.67) ; v1(55.011,89.67) IC32.PAD@55.511,90.17 ; IC30.PAD@56.209,37.569 v1(56.709,37.069) ; v1(56.709,37.069) IC30.PAD@57.209,37.569 ; IC10.PAD@60.94,35.72 v1(61.44,36.22) ; v1(61.44,36.22) IC10.PAD@61.94,35.72 ; IC7.PAD@66.247,78.16 v1(66.747,77.66) ; v1(66.747,77.66) IC7.PAD@67.247,78.16 ; IC8.PAD@76.988,35.645 v1(77.488,36.145) ; IC9.PAD@77.473,78.16 v1(77.973,77.66) ; v1(77.488,36.145) IC8.PAD@77.987,35.645 ; v1(77.973,77.66) IC9.PAD@78.473,78.16 ; v1(93.64,47.037) IC12.PAD@94.14,47.537 ; v1(93.64,47.037) IC12.PAD@94.14,46.537